# Altium PCB PCB1.PcbDoc (continued)
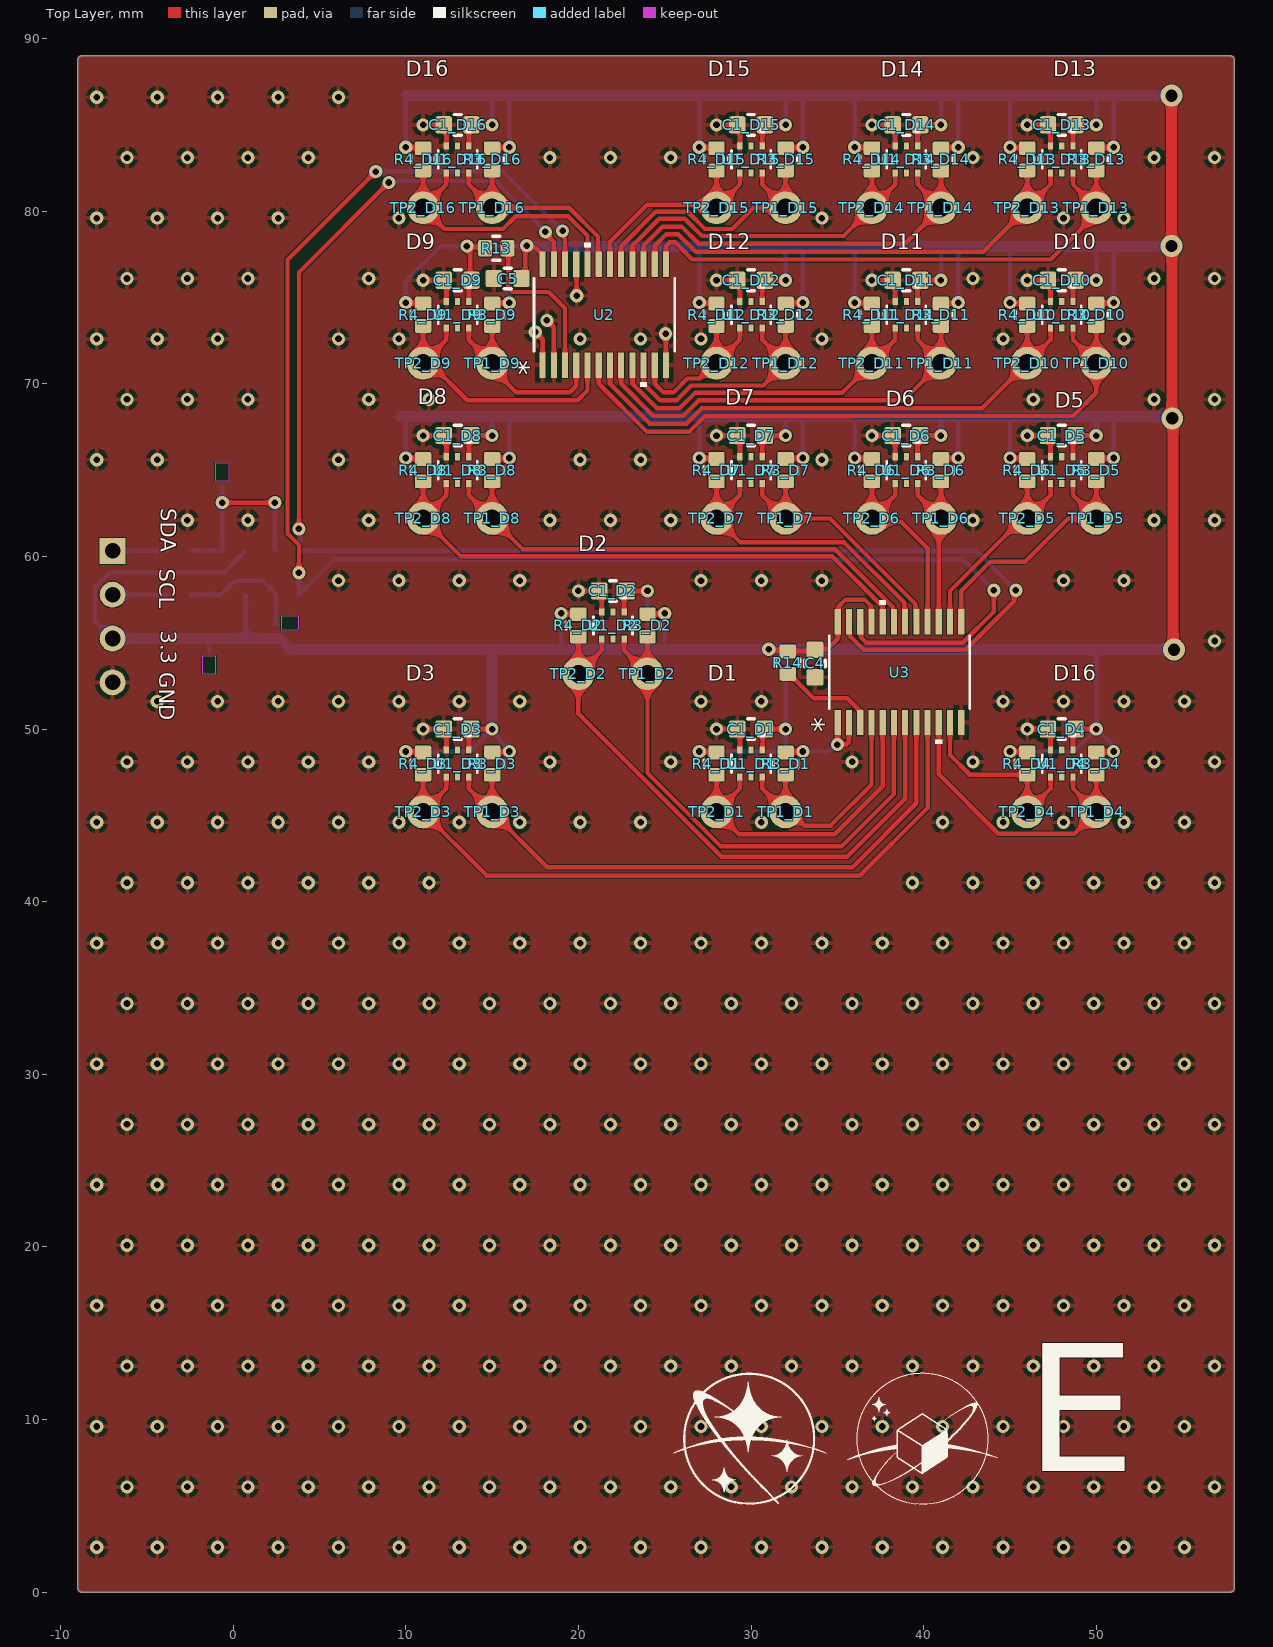
[diagram p0: Top Layer view]
## Components (designator, comment, footprint, x,y, rotation, side; value= is the part's Value field where it differs from the comment) (continued)
U1_D6 "LTR-303ALS-01" LTR-303ALS-01_LTO 39,65 r270 top (schematic designator U1)
U1_D7 "LTR-303ALS-01" LTR-303ALS-01_LTO 30,65 r270 top (schematic designator U1)
U1_D8 "LTR-303ALS-01" LTR-303ALS-01_LTO 13,65 r270 top (schematic designator U1)
U1_D9 "LTR-303ALS-01" LTR-303ALS-01_LTO 13,74 r270 top (schematic designator U1)
U1_D10 "LTR-303ALS-01" LTR-303ALS-01_LTO 48,74 r270 top (schematic designator U1)
U1_D11 "LTR-303ALS-01" LTR-303ALS-01_LTO 39,74 r270 top (schematic designator U1)
U1_D12 "LTR-303ALS-01" LTR-303ALS-01_LTO 30,74 r270 top (schematic designator U1)
U1_D13 "LTR-303ALS-01" LTR-303ALS-01_LTO 48,83 r270 top (schematic designator U1)
U1_D14 "LTR-303ALS-01" LTR-303ALS-01_LTO 39,83 r270 top (schematic designator U1)
U1_D15 "LTR-303ALS-01" LTR-303ALS-01_LTO 30,83 r270 top (schematic designator U1)
U1_D16 "LTR-303ALS-01" LTR-303ALS-01_LTO 13,83 r270 top (schematic designator U1)
U2 "TCA9548APWR" PW24_TEX 21.5,74 r90 top
U3 "TCA9548APWR" PW24_TEX 38.6,53.3 r90 top

## Footprints (in the part's own frame and the unit in brackets; to place one, negate y for a bottom-side part, rotate by r counter-clockwise, add the part's x,y. Pads: shape width x height; smd on the part's side, far side on the other; paste and mask are expansions set on the pad)
C0603B [mm] "Chip Capacitor, 0603, 2-Leads, Body 1.60x0.80mm, IPC Medium Density"
  rrect25% 0.95x1 smd: 1(-0.8,0) 2(0.8,0)
  silkscreen extent -0.2,-0.6 0.2,0.6, body extent -0.87,-0.48 0.87,0.48, height 0.87
HDR1X4 [mm] "Connector; Header; 4 Position"
  rect 1.5x1.5 hole 0.9: 1(0,0)
  round 1.5 hole 0.9: 2(2.54,0) 3(5.08,0) 4(7.62,0)
  silkscreen extent -1.27,-1.27 8.89,1.27, body extent -1.27,-1.27 8.89,1.27, height 8.48
LTR-303ALS-01_LTO [mil]
  rect 16x12 smd paste+0 mask+0: 1(-30.5,25.59) 2(-30.5,0) 3(-30.5,-25.59) 4(30.5,-25.59) 5(30.5,0) 6(30.5,25.59)
  silkscreen extent -70,-45 20,44, body extent -39,-39 39,39, height 28
PW24_TEX [mil]
  rect 58x14 smd paste+0 mask+0: 1(-115,140.75) 2(-115,115.16) 3(-115,89.57) 4(-115,63.98) 5(-115,38.39) 6(-115,12.79) 7(-115,-12.8) 8(-115,-38.39) 9(-115,-63.98) 10(-115,-89.57) 11(-115,-115.16) 12(-115,-140.75) 13(115,-140.75) 14(115,-115.16) 15(115,-89.57) 16(115,-63.98) 17(115,-38.39) 18(115,-12.8) 19(115,12.79) 20(115,38.39) 21(115,63.98) 22(115,89.57) 23(115,115.16) 24(115,140.75)
  silkscreen extent -164,-160 164,161, body extent -130,-156 130,156, height 47
R0603A [mm] "Chip Resistor, 2-Leads, Body 1.55x0.80mm, IPC Low Density"
  rect 0.95x1.05 smd: 1(-0.675,0) 2(0.675,0)
  silkscreen extent -1.4,-0.8 1.4,0.8, body extent -0.85,-0.48 0.85,0.48, height 0.55
R0603B [mm] "Chip Resistor, 0603, 2-Leads, Body 1.58x0.85mm, IPC Medium Density"
  rrect25% 0.8x0.95 smd: 1(-0.65,0) 2(0.65,0)
  silkscreen extent -0.2,-0.7 0.2,0.7, body extent -0.82,-0.48 0.82,0.48, height 0.5
STS521033B950_COB [mil]
  rect 20x14 smd paste+0 mask+0: 1(-35,0) 2(35,0)
  Top Layer keep-out region: -20,-15.5 -20,15.5 20,15.5 20,-15.5
  Keep-Out Layer region: -20,-15.5 -20,15.5 20,15.5 20,-15.5
  silkscreen extent -62,-23 31,23, body extent -33,-17 33,17, height 28
TP-TH [mm] "TH test point. Capable of accomodating 1 pin of a 2.54mm header"
  round 1.9 hole 1.05: 1(0,0)

## Part data
C1_D1 C1_D2 C1_D3 C1_D4 C1_D5 C1_D6 C1_D7 C1_D8 C1_D9 C1_D10 C1_D11 C1_D12 C1_D13 C1_D14 C1_D15 C1_D16 C4 C5: library part CMP-001-00000-10, "Non-polarized capacitor"
D1 D2 D3: library part CMP-245-000001-7, "3.3V ESD Diode", Mfr_Name="Eaton / Cooper Bussmann", Copyright="Copyright (C) 2023 Ultra Librarian. All rights reserved.", Design Item ID=STS521033B950, Manufacturer_Part_Number=STS521033B950, RefDes=RefDes, Source=STS521033B950.SchLib, Type=DEV
P1: library part CMP-005-000097-2, "Header, 4-Pin", Component Type=Standard, Design Item ID="Header 4", LatestRevisionDate=17-Jul-2002, LatestRevisionNote="Re-released for DXP Platform.", Pin Count=4, Publisher="Altium Limited", Source="Miscellaneous Connectors.SchLib"
R3_D1 R3_D2 R3_D3 R3_D4 R3_D5 R3_D6 R3_D7 R3_D8 R3_D9 R3_D10 R3_D11 R3_D12 R3_D13 R3_D14 R3_D15 R3_D16 R4_D1 R4_D2 R4_D3 R4_D4 R4_D5 R4_D6 R4_D7 R4_D8 R4_D9 R4_D10 R4_D11 R4_D12 R4_D13 R4_D14 R4_D15 R4_D16 R13 R14 R15 R16 R17 R18 R19 R20: library part CMP-009-00002-14
TP1_D1 TP1_D2 TP1_D3 TP1_D4 TP1_D5 TP1_D6 TP1_D7 TP1_D8 TP1_D9 TP1_D10 TP1_D11 TP1_D12 TP1_D13 TP1_D14 TP1_D15 TP1_D16 TP2_D1 TP2_D2 TP2_D3 TP2_D4 TP2_D5 TP2_D6 TP2_D7 TP2_D8 TP2_D9 TP2_D10 TP2_D11 TP2_D12 TP2_D13 TP2_D14 TP2_D15 TP2_D16: library part CMP-002-00006-6, "In circuit test point for a net"
U1_D1 U1_D2 U1_D3 U1_D4 U1_D5 U1_D6 U1_D7 U1_D8 U1_D9 U1_D10 U1_D11 U1_D12 U1_D13 U1_D14 U1_D15 U1_D16: library part CMP-197-000003-1, "No Description Available", Mfr_Name=LITE-ON, Design Item ID=LTR-303ALS-01, RefDes=RefDes, Source=LTR-303ALS-01.SchLib, Type=Type
U2 U3: library part CMP-208-000003-3, "No Description Available", Case/Package=TSSOP, Max Operating Temperature=85°C, Max Supply Voltage=5.5V, Mfr_Name="Texas Instruments", Min Operating Temperature=-40°C, Min Supply Voltage=1.65V, Nominal Supply Voltage=1.8V, Package Body Material=Plastic, Package Shape=Rectangular, Package Style="SMALL OUTLINE, THIN PROFILE, SHRINK PITCHMeter", Peak Reflow Temperature (Cel)=260°C, Temperature Grade=INDUSTRIAL, Channels=1, Design Item ID=TCA9548APWR, Height - Seated (Max)=1.2mm, JESD-30 Code=R-PDSO-G24, JESD-609 Code=e4, Length=7.8mm, Logic Type=MULTIPLEXER, Moisture Sensitivity Level=1, Number of Inputs=1, Number of Outputs=8, Output Polarity=True, Pins=24, Propagation Delay (tpd)=1ns, Reach SVHC Compliant=Yes, RefDes=RefDes, RoHS Compliant=Yes, Source=TCA9548APWR.SchLib, Surface Mount=Yes, Terminal Finish=Nickel, Terminal Form="Gull Wing", Terminal Pitch=0.65mm, Terminal Position=DUAL, Type=Type, Width=4.4mm

## Via types
v1: diameter 0.762, hole 0.381, Top Layer to Bottom Layer, tented both sides, 416 vias
v2: diameter 1.27, hole 0.711, Top Layer to Bottom Layer, tented both sides, 4 vias

## Nets (pads, with @x,y where several pads share a name; then routed paths per layer and width w, separated by ;. In a path a pad name is that pad's centre, name@x,y a point inside that pad or via, vN(x,y) a via of type N, cw(c..) or ccw(c..) an arc to the next point about the centre after c; other vN are vias at no path point)
+3.3: C1_D1.2 C1_D2.2 C1_D3.2 C1_D4.2 C1_D5.2 C1_D6.2 C1_D7.2 C1_D8.2 C1_D9.2 C1_D10.2 C1_D11.2 C1_D12.2 C1_D13.2 C1_D14.2 C1_D15.2 C1_D16.2 C4.2 C5.2 D1.1 P1.3 R3_D1.2 R3_D2.2 R3_D3.2 R3_D4.2 R3_D5.2 R3_D6.2 R3_D7.2 R3_D8.2 R3_D9.2 R3_D10.2 R3_D11.2 R3_D12.2 R3_D13.2 R3_D14.2 R3_D15.2 R3_D16.2 R4_D1.2 R4_D2.2 R4_D3.2 R4_D4.2 R4_D5.2 R4_D6.2 R4_D7.2 R4_D8.2 R4_D9.2 R4_D10.2 R4_D11.2 R4_D12.2 R4_D13.2 R4_D14.2 R4_D15.2 R4_D16.2 R13.2 R14.2 R15.2 R16.2 U1_D1.1 U1_D2.1 U1_D3.1 U1_D4.1 U1_D5.1 U1_D6.1 U1_D7.1 U1_D8.1 U1_D9.1 U1_D10.1 U1_D11.1 U1_D12.1 U1_D13.1 U1_D14.1 U1_D15.1 U1_D16.1 U2.24 U3.1 U3.2 U3.21 U3.24 | length 464.2
  Top Layer w0.254: v1(10,48.7) 10.025,48.675 10.975,48.675 R4_D3.2 ; v1(10,65.7) 10.025,65.675 10.975,65.675 R4_D8.2 ; v1(10,74.7) 10.025,74.675 10.975,74.675 R4_D9.2 ; v1(10,83.7) 10.025,83.675 10.975,83.675 R4_D16.2 ; v1@13.603,77.914 v1@13.73,77.914 ; U1_D3.1 13.65,49.829 13.821,50 v1(15,50) ; U1_D8.1 13.65,66.829 13.821,67 v1(15,67) ; U1_D9.1 13.65,75.829 13.821,76 13.733,76.088 13.733,77.911 v1@13.73,77.914 ; U1_D16.1 13.65,84.829 13.821,85 v1(15,85) ; R13.2 14.526,77.914 v1@13.73,77.914 ; R3_D3.2 15.025,48.675 15.975,48.675 v1(16,48.7) ; R3_D8.2 15.025,65.675 15.975,65.675 v1(16,65.7) ; R3_D9.2 15.025,74.675 15.975,74.675 v1(15.988,74.688) ; R3_D16.2 15.025,83.675 15.975,83.675 v1(16,83.7) ; C5.2 16.921,76.321 v1@16.921,77.881 ; v1@16.911,77.905 v1(17.008,78.002) ; v1@17.115,77.881 17.524,77.881 17.874,77.531 17.874,76.972 U2.24 ; v1(19,56.7) 19.025,56.675 19.975,56.675 R4_D2.2 ; U1_D2.1 22.65,57.829 22.821,58 v1(24,58) ; R3_D2.2 24.025,56.675 24.975,56.675 v1(25,56.7) ; v1(27,48.7) 27.025,48.675 27.975,48.675 R4_D1.2 ; v1(27,65.7) 27.025,65.675 27.975,65.675 R4_D7.2 ; v1(27,74.7) 27.025,74.675 27.975,74.675 R4_D12.2 ; v1(27,83.7) 27.025,83.675 27.975,83.675 R4_D15.2 ; U1_D1.1 30.675,48.8 30.675,49.875 C1_D1.2 v1(32,50) ; U1_D7.1 30.65,66.829 30.821,67 v1(32,67) ; U1_D12.1 30.65,75.829 30.821,76 v1(32,76) ; U1_D15.1 30.65,84.829 30.821,85 v1(32,85) ; v1(31.024,54.62) 31.085,54.559 32.07,54.559 R14.2 ; R3_D1.2 32.025,48.675 32.975,48.675 v1(33,48.7) ; R3_D7.2 32.025,65.675 32.975,65.675 v1(33,65.7) ; R3_D12.2 32.025,74.675 32.975,74.675 v1(33,74.7) ; R3_D15.2 32.025,83.675 32.975,83.675 v1(33,83.7) ; R14.2@32.131,54.518 33.618,54.518 C4.2 33.732,54.632 34.432,54.632 35.025,55.225 U3.24 35.076,56.272 35.076,57.109 35.467,57.5 36.577,57.5 36.943,57.134 36.943,56.253 U3.21 ; U3.1 35.013,50.366 35.013,49.113 v1(35,49.1) 35.016,49.116 35.526,49.116 35.675,49.265 U3.2 ; v1(36,65.7) 36.025,65.675 36.975,65.675 R4_D6.2 ; v1(36,74.7) 36.025,74.675 36.975,74.675 R4_D11.2 ; v1(36,83.7) 36.025,83.675 36.975,83.675 R4_D14.2 ; U1_D6.1 39.65,66.829 39.821,67 v1(41,67) ; U1_D11.1 39.65,75.829 39.821,76 v1(41,76) ; U1_D14.1 39.65,84.829 39.821,85 v1(41,85) ; R3_D6.2 41.025,65.675 41.975,65.675 v1(42,65.7) ; R3_D11.2 41.025,74.675 41.975,74.675 v1(42,74.7) ; R3_D14.2 41.025,83.675 41.975,83.675 v1(42,83.7) ; v1(45,48.7) 45.025,48.675 45.975,48.675 R4_D4.2 ; v1(45,65.7) 45.025,65.675 45.975,65.675 R4_D5.2 ; v1(45,74.7) 45.025,74.675 45.975,74.675 R4_D10.2 ; v1(45,83.7) 45.025,83.675 45.975,83.675 R4_D13.2 ; U1_D4.1 48.65,49.829 48.821,50 v1(50,50) ; U1_D5.1 48.65,66.829 48.821,67 v1(50,67) ; U1_D10.1 48.65,75.829 48.821,76 v1(50,76) ; U1_D13.1 48.65,84.829 48.821,85 v1(50,85) ; R3_D4.2 50.025,48.675 50.975,48.675 v1(51,48.7) ; R3_D5.2 50.025,65.675 50.975,65.675 v1(51,65.7) ; R3_D10.2 50.025,74.675 50.975,74.675 v1(51,74.7) ; R3_D13.2 50.025,83.675 50.975,83.675 v1(51,83.7) ; v2(54.4,68) v2@54.45,67.95 ; v2@54.45,54.65 v2(54.5,54.6)
  Top Layer w0.635: v2(54.356,86.692) v2(54.356,77.978) 54.378,77.956 54.378,68.022 v2(54.4,68) ; v2@54.45,54.65 v2@54.45,67.95
  Bottom Layer w0.254: P1.3 -8.014,56.274 -8.014,58.211 -7.157,59.069 -0.531,59.069 0.675,60.275 R15.2 ; -1.524,55.245 -1.397,55.118 D1.1@-1.397,54.546 ; R16.2 0.726,57.734 0.726,55.245 ; 9.7,68.1 10,67.8 v1(10,65.7) ; v1(10,48.7) 13.7,48.7 v1(15,50) ; v1(10,74.7) 10,75.934 12.044,77.978 v1(13.54,77.978) ; v1(10,83.7) 10,86.708 10.033,86.741 ; v1@13.667,77.978 16.023,77.978 ; v1@15,49.863 15.346,49.517 cw(c15.069,49.239) 15.387,49.468 15.389,49.465 v1(16,48.7) ; v1(15,67) 15,68.035 15.065,68.1 ; v1(15,85) 15,86.645 15.047,86.692 ; 15.874,68.1 16,67.974 v1(16,65.7) ; v1(15.988,74.688) 16,74.7 16,77.955 16.023,77.978 ; v1(16,83.7) 16,86.652 16.04,86.692 ; v1@17.018,77.978 16.023,77.978 ; 18.956,54.62 19,54.664 v1(19,56.7) ; v1(24,58) 24,54.627 24.007,54.62 ; 24.983,54.62 25,54.637 v1(25,56.7) ; 26.904,77.953 27,77.857 v1(27,74.7) ; 26.986,86.692 27,86.678 v1(27,83.7) ; v1(27,48.7) 31.851,48.7 32,48.849 ; v1(27,65.7) 27,68.038 27.062,68.1 ; 31.961,77.953 32,77.914 v1(32,76) ; v1(32,67) 32,67.904 ; v1(32,85) 32,86.658 32.034,86.692 ; 32.018,54.62 32,54.601 v1(32,50) 32,48.849 ; 32.834,86.692 33,86.525 v1(33,83.7) ; v1(33,65.7) 33,68.06 33.04,68.1 ; v1(33,74.7) 33,77.952 ; v1(35,49.1) 34.863,49.1 34.463,48.7 v1(33,48.7) 32.149,48.7 32,48.849 ; 35.994,77.953 36,77.946 v1(36,74.7) ; v1(36,65.7) 36,68.065 36.035,68.1 ; v1(36,83.7) 36,86.602 36.09,86.692 ; 40.945,86.692 41,86.636 v1(41,85) ; v1(41,67) 41,68.1 ; v1(41,76) 41,77.914 41.038,77.953 ; 41.956,86.692 42,86.648 v1(42,83.7) ; v1(42,65.7) 42,68.051 42.049,68.1 ; v1(42,74.7) 42,77.928 42.025,77.953 ; 44.989,68.1 45,68.089 v1(45,65.7) ; v1(45,48.7) 48.7,48.7 v1(50,50) ; v1(45,74.7) 45,77.893 45.06,77.953 ; v1(45,83.7) 45,86.663 45.029,86.692 ; 50,54.4 v1(50,50) ; v1@50,67.1 50,68.1 ; v1(50,76) 50,77.873 50.079,77.953 ; v1(50,85) 50,86.634 50.058,86.692 ; 50.915,86.692 51,86.607 v1(51,83.7) ; v1(51,48.7) 50.903,48.797 50.903,49.097 v1(50,50) ; v1(51,65.7) 51,68.097 51.003,68.1 ; v1(51,74.7) 51,77.855 51.098,77.953
  Bottom Layer w0.635: P1.3 -1.524,55.245 ; -1.397,55.245 0.726,55.245 2.735,55.245 3.36,54.62 18.956,54.62 24.007,54.62 24.525,54.62 ; 9.7,68.1 15.065,68.1 15.874,68.1 27.062,68.1 33.04,68.1 36.035,68.1 41,68.1 42.049,68.1 44.989,68.1 50,68.1 51.003,68.1 54.3,68.1 v2(54.4,68) ; 10.033,86.741 10.082,86.692 15.047,86.692 16.04,86.692 26.986,86.692 32.034,86.692 32.834,86.692 36.09,86.692 40.945,86.692 41.956,86.692 45.029,86.692 50.058,86.692 50.915,86.692 v2(54.356,86.692) ; v1(15,50) 15,54.556 ; v1@17.018,77.978 17.042,77.954 17.733,77.954 17.734,77.953 26.904,77.953 31.961,77.953 33,77.953 35.994,77.953 41.038,77.953 42.025,77.953 45.06,77.953 50.079,77.953 51.098,77.953 54.331,77.953 v2(54.356,77.978) ; 24.588,54.62 24.983,54.62 v1(31.024,54.62) 32.018,54.62 49.78,54.62 ; 50,54.4 49.78,54.62 ; v2(54.5,54.6) 54.48,54.62 49.78,54.62
GND: C1_D1.1 C1_D2.1 C1_D3.1 C1_D4.1 C1_D5.1 C1_D6.1 C1_D7.1 C1_D8.1 C1_D9.1 C1_D10.1 C1_D11.1 C1_D12.1 C1_D13.1 C1_D14.1 C1_D15.1 C1_D16.1 C4.1 C5.1 D1.2 D2.2 D3.2 P1.4 U1_D1.3 U1_D2.3 U1_D3.3 U1_D4.3 U1_D5.3 U1_D6.3 U1_D7.3 U1_D8.3 U1_D9.3 U1_D10.3 U1_D11.3 U1_D12.3 U1_D13.3 U1_D14.3 U1_D15.3 U1_D16.3 U2.1 U2.2 U2.12 U2.21 U3.12 | length 48.3
  Top Layer w0.254: v1(11,50) 12.094,50 C1_D3.1@12.17,50.075 ; v1(11,67) 12.094,67 C1_D8.1@12.17,67.075 ; v1(11,76) 12.094,76 C1_D9.1@12.17,76.075 ; v1(11,85) 12.094,85 C1_D16.1@12.17,85.075 ; C1_D3.1 12.35,49.85 U1_D3.3 ; C1_D8.1 12.35,66.85 U1_D8.3 ; C1_D9.1 12.35,75.85 U1_D9.3 ; C1_D16.1 12.35,84.85 U1_D16.3 ; v1(17.5,73) 17.925,72.575 U2.1 ; v1(18.175,73.675) 18.575,73.274 U2.2 ; U2.21 19.887,76.909 19.887,75.113 v1(19.9,75.1) ; v1(20,58) 21.094,58 C1_D2.1@21.17,58.075 ; C1_D2.1 21.35,57.85 U1_D2.3 ; v1(25.05,72.9) 25.062,72.888 25.062,71.091 U2.12 ; v1(28,50) 29.094,50 C1_D1.1@29.17,50.075 ; v1(28,67) 29.094,67 C1_D7.1@29.17,67.075 ; v1(28,76) 29.094,76 C1_D12.1@29.17,76.075 ; v1(28,85) 29.094,85 C1_D15.1@29.17,85.075 ; C1_D1.1 29.35,49.85 U1_D1.3 ; C1_D7.1 29.35,66.85 U1_D7.3 ; C1_D12.1 29.35,75.85 U1_D12.3 ; C1_D15.1 29.35,84.85 U1_D15.3 ; v1(37,67) 38.094,67 C1_D6.1@38.17,67.075 ; v1(37,76) 38.094,76 C1_D11.1@38.17,76.075 ; v1(37,85) 38.094,85 C1_D14.1@38.17,85.075 ; C1_D6.1 38.35,66.85 U1_D6.3 ; C1_D11.1 38.35,75.85 U1_D11.3 ; C1_D14.1 38.35,84.85 U1_D14.3 ; v1(46,50) 47.094,50 C1_D4.1@47.17,50.075 ; v1(46,67) 47.094,67 C1_D5.1@47.17,67.075 ; v1(46,76) 47.094,76 C1_D10.1@47.17,76.075 ; v1(46,85) 47.094,85 C1_D13.1@47.17,85.075 ; C1_D4.1 47.35,49.85 U1_D4.3 ; C1_D5.1 47.35,66.85 U1_D5.3 ; C1_D10.1 47.35,75.85 U1_D10.3 ; C1_D13.1 47.35,84.85 U1_D13.3
  other v1: -7.9,2.6 -4.4,2.6 -0.9,2.6 2.6,2.6 6.1,2.6 9.6,2.6 13.1,2.6 16.6,2.6 20.1,2.6 23.6,2.6 27.1,2.6 30.6,2.6 34.1,2.6 37.6,2.6 41.1,2.6 44.6,2.6 48.1,2.6 51.6,2.6 55.1,2.6 -6.15,6.1 -2.65,6.1 0.85,6.1 4.35,6.1 7.85,6.1 11.35,6.1 14.85,6.1 18.35,6.1 21.85,6.1 25.35,6.1 28.85,6.1 32.35,6.1 35.85,6.1 39.35,6.1 42.85,6.1 46.35,6.1 49.85,6.1 53.35,6.1 56.85,6.1 -7.9,9.6 -4.4,9.6 -0.9,9.6 2.6,9.6 6.1,9.6 9.6,9.6 13.1,9.6 16.6,9.6 20.1,9.6 23.6,9.6 27.1,9.6 30.6,9.6 34.1,9.6 37.6,9.6 41.1,9.6 44.6,9.6 48.1,9.6 51.6,9.6 55.1,9.6 -6.15,13.1 -2.65,13.1 0.85,13.1 4.35,13.1 7.85,13.1 11.35,13.1 14.85,13.1 18.35,13.1 21.85,13.1 25.35,13.1 28.85,13.1 32.35,13.1 35.85,13.1 39.35,13.1 42.85,13.1 46.35,13.1 49.85,13.1 53.35,13.1 56.85,13.1 -7.9,16.6 -4.4,16.6 -0.9,16.6 2.6,16.6 6.1,16.6 9.6,16.6 13.1,16.6 16.6,16.6 20.1,16.6 23.6,16.6 27.1,16.6 30.6,16.6 34.1,16.6 37.6,16.6 41.1,16.6 44.6,16.6 48.1,16.6 51.6,16.6 55.1,16.6 -6.15,20.1 -2.65,20.1 0.85,20.1 4.35,20.1 7.85,20.1 11.35,20.1 14.85,20.1 18.35,20.1 21.85,20.1 25.35,20.1 28.85,20.1 32.35,20.1 35.85,20.1 39.35,20.1 42.85,20.1 46.35,20.1 49.85,20.1 53.35,20.1 56.85,20.1 -7.9,23.6 -4.4,23.6 -0.9,23.6 2.6,23.6 6.1,23.6 9.6,23.6 13.1,23.6 16.6,23.6 20.1,23.6 23.6,23.6 27.1,23.6 30.6,23.6 34.1,23.6 37.6,23.6 41.1,23.6 44.6,23.6 48.1,23.6 51.6,23.6 55.1,23.6 -6.15,27.1 -2.65,27.1 0.85,27.1 4.35,27.1 7.85,27.1 11.35,27.1 14.85,27.1 18.35,27.1 21.85,27.1 25.35,27.1 28.85,27.1 32.35,27.1 35.85,27.1 39.35,27.1 42.85,27.1 46.35,27.1 49.85,27.1 53.35,27.1 56.85,27.1 -7.9,30.6 -4.4,30.6 -0.9,30.6 2.6,30.6 6.1,30.6 9.6,30.6 13.1,30.6 16.6,30.6 20.1,30.6 23.6,30.6 27.1,30.6 30.6,30.6 34.1,30.6 37.6,30.6 41.1,30.6 44.6,30.6 48.1,30.6 51.6,30.6 55.1,30.6 -6.15,34.1 -2.65,34.1 0.85,34.1 4.35,34.1 7.85,34.1 11.35,34.1 14.85,34.1 18.35,34.1 21.85,34.1 25.35,34.1 28.85,34.1 32.35,34.1 35.85,34.1 39.35,34.1 42.85,34.1 46.35,34.1 49.85,34.1 53.35,34.1 56.85,34.1 -7.9,37.6 -4.4,37.6 -0.9,37.6 2.6,37.6 6.1,37.6 9.6,37.6 13.1,37.6 16.6,37.6 20.1,37.6 23.6,37.6 27.1,37.6 30.6,37.6 34.1,37.6 37.6,37.6 41.1,37.6 44.6,37.6 48.1,37.6 51.6,37.6 55.1,37.6 -6.15,41.1 -2.65,41.1 0.85,41.1 4.35,41.1 7.85,41.1 11.35,41.1 39.35,41.1 42.85,41.1 46.35,41.1 49.85,41.1 53.35,41.1 56.85,41.1 -7.9,44.6 -4.4,44.6 -0.9,44.6 2.6,44.6 6.1,44.6 9.6,44.6 13.1,44.6 16.6,44.6 20.1,44.6 23.6,44.6 30.6,44.6 41.1,44.6 44.6,44.6 48.1,44.6 51.6,44.6 55.1,44.6 -6.15,48.1 -2.65,48.1 0.85,48.1 4.35,48.1 7.85,48.1 18.35,48.1 25.35,48.1 35.85,48.1 42.85,48.1 53.35,48.1 56.85,48.1 -4.4,51.6 -0.9,51.6 2.6,51.6 6.1,51.6 9.6,51.6 13.1,51.6 16.6,51.6 27.1,51.6 30.6,51.6 44.6,51.6 48.1,51.6 51.6,51.6 55.1,51.6 56.85,55.1 6.1,58.6 9.6,58.6 13.1,58.6 16.6,58.6 27.1,58.6 30.6,58.6 34.1,58.6 48.1,58.6 51.6,58.6 -2.65,62.1 0.85,62.1 7.85,62.1 18.35,62.1 21.85,62.1 25.35,62.1 42.85,62.1 53.35,62.1 56.85,62.1 -7.9,65.6 -4.4,65.6 6.1,65.6 20.1,65.6 23.6,65.6 34.1,65.6 -6.15,69.1 -2.65,69.1 0.85,69.1 7.85,69.1 11.35,69.1 46.35,69.1 53.35,69.1 56.85,69.1 -7.9,72.6 -4.4,72.6 -0.9,72.6 6.1,72.6 9.6,72.6 20.1,72.6 23.6,72.6 27.1,72.6 34.1,72.6 44.6,72.6 51.6,72.6 -6.15,76.1 -2.65,76.1 0.85,76.1 7.85,76.1 42.85,76.1 53.35,76.1 56.85,76.1 -7.9,79.6 -4.4,79.6 -0.9,79.6 2.6,79.6 9.6,79.6 34.1,79.6 48.1,79.6 51.6,79.6 -6.15,83.1 -2.65,83.1 0.85,83.1 4.35,83.1 18.35,83.1 21.85,83.1 25.35,83.1 42.85,83.1 53.35,83.1 56.85,83.1 -7.9,86.6 -4.4,86.6 -0.9,86.6 2.6,86.6 6.1,86.6
NetD2_1: D2.1 R15.1 R17.2 R19.1 | length 11.5
  Top Layer w0.254: v1(-0.635,63.119) v1(2.413,63.119)
  Bottom Layer w0.254: R17.2 R15.1 -0.635,60.365 v1(-0.635,63.119) D2.1@-0.635,64.072 ; v1(2.413,63.119) 2.413,60.412 R19.1
NetD3_1: D3.1 R16.1 R18.2 R20.1 | length 7.4
  Bottom Layer w0.254: R18.2 R16.1 -0.675,57.835 0.079,58.589 1.706,58.589 2.46,57.835 R20.1 2.477,57.768 D3.1@2.477,56.134 ; D3.1@2.413,56.07 D3.1@2.413,56.12
NetR13_1: R13.1 U2.3 | length 9.4
  Top Layer w0.254: R13.1 15.946,77.795 15.946,75.554 16.179,75.321 18.279,75.321 19.225,74.375 U2.3
NetR14_1: R14.1 U3.3 | length 5.8
  Top Layer w0.254: R14.1 32.206,53.198 32.934,52.47 32.934,52.466 33.615,51.784 35.579,51.784 36.274,51.089 36.274,50.43 U3.3
NetR19_2: R19.2 U2.23 U3.23 | length 90.9
  Top Layer w0.254: v1(3.81,61.595) 3.81,76.454 v1(9.017,81.661) ; v1(18.086,78.804) 18.086,78.704 18.575,78.215 U2.23 ; U3.23 35.726,56.17 35.726,55.38 36.512,54.594 42.432,54.594 45.242,57.404 45.242,57.942 v1(45.339,58.039)
  Bottom Layer w0.254: v1(3.81,61.595) 3.85,61.555 R19.2 43.053,60.325 v1(45.339,58.039) ; v1(9.017,81.661) 9.106,81.75 15.189,81.75 18.086,78.853 v1(18.086,78.804)
NetR20_2: R20.2 U2.22 U3.22 | length 93.7
  Top Layer w0.254: v1(3.81,59.055) 3.81,60.661 3.15,61.321 3.15,77.191 v1(8.255,82.296) ; v1(19.08,78.854) 19.177,78.757 19.177,78.46 19.225,78.412 U2.22 ; U3.22 36.376,56.17 36.376,55.304 36.68,55 42.264,55 44.069,56.805 v1(44.069,58.039)
  Bottom Layer w0.254: v1(3.81,59.055) R20.2 5.842,59.817 42.291,59.817 v1(44.069,58.039) ; v1(8.255,82.296) 8.28,82.321 15.613,82.321 v1(19.08,78.854)
SCL1: R4_D1.1 TP2_D1.1 U1_D1.4 U3.5 | length 19.7
  Top Layer w0.254: R4_D1.1 TP2_D1.1 ; U1_D1.4 29.35,46.55 TP2_D1.1 ; U3.5 37.625,46.683 34.842,43.9 29.3,43.9 TP2_D1.1
SCL2: R4_D2.1 TP2_D2.1 U1_D2.4 U3.7 | length 35.2
  Top Layer w0.254: R4_D2.1 TP2_D2.1 ; U1_D2.4 21.35,54.55 TP2_D2.1 ; U3.7 38.925,45.967 35.558,42.6 28.287,42.6 20,50.887 TP2_D2.1
SCL3: R4_D3.1 TP2_D3.1 U1_D3.4 U3.9 | length 42.1
  Top Layer w0.254: R4_D3.1 TP2_D3.1 ; U1_D3.4 12.35,46.55 TP2_D3.1 ; U3.9 40.225,45.429 36.296,41.5 14.7,41.5 TP2_D3.1
SCL4: R4_D4.1 TP2_D4.1 U1_D4.4 U3.11 | length 11.6
  Top Layer w0.254: U3.11 41.525,48.491 42.666,47.35 45.978,47.35 R4_D4.1@45.999,47.371 ; R4_D4.1 TP2_D4.1 47.35,46.55 U1_D4.4
SCL5: R4_D5.1 TP2_D5.1 U1_D5.4 U3.14 | length 12.7
  Top Layer w0.254: U3.14 41.525,58 45.725,62.2 TP2_D5.1 ; R4_D5.1 TP2_D5.1 ; U1_D5.4 47.35,63.55 TP2_D5.1
SCL6: R4_D6.1 TP2_D6.1 U1_D6.4 U3.16 | length 12.9
  Top Layer w0.254: R4_D6.1 TP2_D6.1 ; U1_D6.4 38.35,63.55 TP2_D6.1 ; U3.16 40.225,60.475 38.7,62 37.2,62 TP2_D6.1
SCL7: R4_D7.1 TP2_D7.1 U1_D7.4 U3.18 | length 18.8
  Top Layer w0.254: R4_D7.1 TP2_D7.1 ; U1_D7.4 29.35,63.55 TP2_D7.1 ; U3.18 38.874,56.272 38.874,57.326 35.387,60.813 29.387,60.813 TP2_D7.1
SCL8: R4_D8.1 TP2_D8.1 U1_D8.4 U3.20 | length 34.3
  Top Layer w0.254: R4_D8.1 TP2_D8.1 ; U1_D8.4 12.35,63.55 TP2_D8.1 ; U3.20 37.625,57.085 34.71,60 13.2,60 TP2_D8.1
SCL9: R4_D9.1 TP2_D9.1 U1_D9.4 U2.5 | length 16.9
  Top Layer w0.254: R4_D9.1 TP2_D9.1@11,71.2 ; U1_D9.4 12.35,72.55 TP2_D9.1@11,71.2 ; U2.5 20.525,69.606 19.96,69.04 13.56,69.04 11.4,71.2 TP2_D9.1
SCL10: R4_D10.1 TP2_D10.1 U1_D10.4 U2.7 | length 32.4
  Top Layer w0.254: U2.7 21.825,70 24.141,67.684 26.252,67.684 27.152,68.584 35.9,68.584 35.908,68.592 43.392,68.592 TP2_D10.1 ; R4_D10.1 TP2_D10.1@46,71.2 ; U1_D10.4 47.35,72.55 TP2_D10.1@46,71.2
SCL11: R4_D11.1 TP2_D11.1 U1_D11.4 U2.9 | length 21.4
  Top Layer w0.254: U2.9 23.125,70 24.533,68.592 25.876,68.592 26.776,69.492 35.292,69.492 TP2_D11.1 ; R4_D11.1 TP2_D11.1@37,71.2 ; U1_D11.4 38.35,72.55 TP2_D11.1@37,71.2
SCL12: R4_D12.1 TP2_D12.1 U1_D12.4 U2.11 | length 10.3
  Top Layer w0.254: U2.11 24.425,70 24.925,69.5 25.5,69.5 26.306,70.306 27.011,70.306 27.905,71.2 TP2_D12.1 ; R4_D12.1 TP2_D12.1 ; U1_D12.4 29.35,72.55 TP2_D12.1
SCL13: R4_D13.1 TP2_D13.1 U1_D13.4 U2.14 | length 29.1
  Top Layer w0.254: U2.14 24.425,78 25.079,78.654 25.788,78.654 26.788,77.654 43.454,77.654 TP2_D13.1 ; R4_D13.1 TP2_D13.1 ; U1_D13.4 47.35,81.55 TP2_D13.1
SCL14: R4_D14.1 TP2_D14.1 U1_D14.4 U2.16 | length 21.4
  Top Layer w0.254: U2.16 23.125,78 24.687,79.562 26.164,79.562 27.164,78.562 35.362,78.562 TP2_D14.1 ; R4_D14.1 TP2_D14.1 ; U1_D14.4 38.35,81.55 TP2_D14.1
SCL15: R4_D15.1 TP2_D15.1 U1_D15.4 U2.18 | length 13.2
  Top Layer w0.254: U2.18 21.825,78.225 23.975,80.375 27.825,80.375 TP2_D15.1 ; R4_D15.1 TP2_D15.1 ; U1_D15.4 29.35,81.55 TP2_D15.1
SCL16: R4_D16.1 TP2_D16.1 U1_D16.4 U2.20 | length 17.2
  Top Layer w0.254: R4_D16.1 TP2_D16.1 ; U1_D16.4 12.35,81.55 TP2_D16.1 ; U2.20 20.525,78.575 19.4,79.7 16.362,79.7 15.633,78.971 12.229,78.971 TP2_D16.1
SCL_Arduino: P1.2 R18.1 | length 3.1
  Bottom Layer w0.254: P1.2 R18.1
SDA1: R3_D1.1 TP1_D1.1 U1_D1.6 U3.4 | length 14.6
  Top Layer w0.254: U1_D1.6 30.65,46.55 TP1_D1.1 ; R3_D1.1 TP1_D1.1 ; U3.4 36.975,46.775 34.606,44.406 33.094,44.406 32.3,45.2 TP1_D1.1
SDA2: R3_D2.1 TP1_D2.1 U1_D2.6 U3.6 | length 31.9
  Top Layer w0.254: U1_D2.6 22.65,54.55 TP1_D2.1 ; R3_D2.1 TP1_D2.1 ; U3.6 38.275,46.236 35.239,43.2 28.261,43.2 24,47.461 TP1_D2.1
SDA3: R3_D3.1 TP1_D3.1 U1_D3.6 U3.8 | length 36.8
  Top Layer w0.254: U1_D3.6 13.65,46.55 TP1_D3.1 ; R3_D3.1 TP1_D3.1 ; U3.8 39.575,45.698 35.877,42 18.2,42 TP1_D3.1
SDA4: R3_D4.1 TP1_D4.1 U1_D4.6 U3.10 | length 18.7
  Top Layer w0.254: U3.10 40.875,47.391 44.326,43.94 48.74,43.94 49.936,45.136 TP1_D4.1@49.962,45.136 ; U1_D4.6 48.65,46.55 TP1_D4.1 R3_D4.1
SDA5: R3_D5.1 TP1_D5.1 U1_D5.6 U3.13 | length 16.1
  Top Layer w0.254: U3.13 42.175,58 43.875,59.7 45.877,59.7 48.377,62.2 TP1_D5.1 ; U1_D5.6 48.65,63.55 TP1_D5.1 ; R3_D5.1 TP1_D5.1
SDA6: R3_D6.1 TP1_D6.1 U1_D6.6 U3.15 | length 10.8
  Top Layer w0.254: U1_D6.6 39.65,63.55 TP1_D6.1 ; U3.15 40.875,62.075 TP1_D6.1 ; R3_D6.1 TP1_D6.1
SDA7: R3_D7.1 TP1_D7.1 U1_D7.6 U3.17 | length 15.4
  Top Layer w0.254: U1_D7.6 30.65,63.55 TP1_D7.1 ; R3_D7.1 TP1_D7.1 ; U3.17 39.524,56.272 39.524,57.251 34.575,62.2 TP1_D7.1
SDA8: R3_D8.1 TP1_D8.1 U1_D8.6 U3.19 | length 30.9
  Top Layer w0.254: U1_D8.6 13.65,63.55 TP1_D8.1 ; R3_D8.1 TP1_D8.1 ; U3.19 38.224,56.272 38.224,57.06 34.878,60.406 16.794,60.406 TP1_D8.1
SDA9: R3_D9.1 TP1_D9.1 U1_D9.6 U2.4 | length 11.8
  Top Layer w0.254: U1_D9.6 13.65,72.55 15,71.2 R3_D9.1 ; TP1_D9.1@14.85,71.05 16.4,69.5 19.5,69.5 19.875,69.875 U2.4
SDA10: R3_D10.1 TP1_D10.1 U1_D10.6 U2.6 | length 38.4
  Top Layer w0.254: U2.6 21.175,70 23.945,67.23 26.44,67.23 27.34,68.13 35.9,68.13 35.908,68.138 48.656,68.138 50,69.482 TP1_D10.1 ; U1_D10.6 48.65,72.55 TP1_D10.1@50,71.2 ; R3_D10.1 TP1_D10.1@50,71.2
SDA11: R3_D11.1 TP1_D11.1 U1_D11.6 U2.8 | length 26.4
  Top Layer w0.254: U2.8 22.475,70 24.337,68.138 26.064,68.138 26.964,69.038 38.838,69.038 TP1_D11.1 ; U1_D11.6 39.65,72.55 TP1_D11.1@41,71.2 ; R3_D11.1 TP1_D11.1@41,71.2
SDA12: R3_D12.1 TP1_D12.1 U1_D12.6 U2.10 | length 15.3
  Top Layer w0.254: U2.10 23.775,70 24.729,69.046 25.688,69.046 26.542,69.9 30.7,69.9 TP1_D12.1 ; U1_D12.6 30.65,72.55 TP1_D12.1 ; R3_D12.1 TP1_D12.1
SDA13: R3_D13.1 TP1_D13.1 U1_D13.6 U2.13 | length 32.7
  Top Layer w0.254: U2.13 25.075,78 25.275,78.2 25.6,78.2 26.6,77.2 47.367,77.2 50,79.833 TP1_D13.1 ; U1_D13.6 48.65,81.55 TP1_D13.1 ; R3_D13.1 TP1_D13.1
SDA14: R3_D14.1 TP1_D14.1 U1_D14.6 U2.15 | length 24.8
  Top Layer w0.254: U2.15 23.775,78 24.883,79.108 25.976,79.108 26.976,78.108 38.908,78.108 TP1_D14.1 ; U1_D14.6 39.65,81.55 TP1_D14.1 ; R3_D14.1 TP1_D14.1
SDA15: R3_D15.1 TP1_D15.1 U1_D15.6 U2.17 | length 17.1
  Top Layer w0.254: U2.17 22.475,77.975 24.468,79.968 26.332,79.968 27.33,78.971 28.908,78.971 30.137,80.2 TP1_D15.1 ; U1_D15.6 30.65,81.55 TP1_D15.1 ; R3_D15.1 TP1_D15.1
SDA16: R3_D16.1 TP1_D16.1 U1_D16.6 U2.19 | length 13.2
  Top Layer w0.254: U1_D16.6 13.65,81.55 TP1_D16.1 ; R3_D16.1 TP1_D16.1 ; U2.19 21.136,76.96 21.136,78.539 19.475,80.2 TP1_D16.1
SDA_Arduino: P1.1 R17.1 | length 3.1
  Bottom Layer w0.254: P1.1 R17.1
pads on no net: U1_D1.2 U1_D1.5 U1_D2.2 U1_D2.5 U1_D3.2 U1_D3.5 U1_D4.2 U1_D4.5 U1_D5.2 U1_D5.5 U1_D6.2 U1_D6.5 U1_D7.2 U1_D7.5 U1_D8.2 U1_D8.5 U1_D9.2 U1_D9.5 U1_D10.2 U1_D10.5 U1_D11.2 U1_D11.5 U1_D12.2 U1_D12.5 U1_D13.2 U1_D13.5 U1_D14.2 U1_D14.5 U1_D15.2 U1_D15.5 U1_D16.2 U1_D16.5

## Polygon pours and split planes (outlines as drawn)
GND on Top Layer "GND_L01_P000" (solid, remove dead copper, pour order 0): -9,89 58,89 58,0 -9,0
GND on Bottom Layer "GND_L02_P001" (solid, remove dead copper, pour order 1): -9,89 58,89 58,0 -9,0

## Silkscreen, mask and mechanical layers (free items; w line width, h text height)
Top Overlay:
  drawing of 6 lines, arcs and shapes, not listed
  text "D16" at 10,87.516 h1.52
  text "D15" at 27.5,87.516 h1.52
  text "D13" at 47.5,87.516 h1.52
  text "D14" at 37.5,87.5 h1.52
  text "D9" at 10,77.516 h1.52
  text "D10" at 47.5,77.516 h1.52
  text "D12" at 27.5,77.5 h1.52
  text "D11" at 37.5,77.5 h1.52
  text "D8" at 10.7,68.516 h1.52
  text "D7" at 28.5,68.5 h1.52
  text "D6" at 37.8,68.416 h1.52
  text "D5" at 47.6,68.316 h1.52
  text "SDA" at -4.484,62.8 h1.52 r270
  text "D2" at 20,60 h1.52
  text "SCL" at -4.584,59.3 h1.52 r270
  text "3.3" at -4.484,55.7 h1.52 r270
  text "GND" at -4.584,53.3 h1.52 r270
  text "D3" at 10,52.516 h1.52
  text "D16" at 47.5,52.516 h1.52
  text "D1" at 27.5,52.5 h1.52
  text "E" at 45.895,4.565 h12.7
Top Solder:
  drawing of 4 lines, arcs and shapes, not listed
Mechanical 101:
  the board outline again, w0.254

## Text inside footprints (layer, text, board x,y; h text height)
U2: Top Overlay "*" at 17.696,70.507 h1.27 r90; Top Assembly "*" at 18.897,71.816 h1.27 r90
U3: Top Overlay "*" at 34.796,49.808 h1.27 r90; Top Assembly "*" at 35.996,51.116 h1.27 r90